# Altium PCB PCB_3U_DAC.PCBDOC (part 6 of 9)
Units mm, origin at the board's own origin, x right, y up, seen from the top; angles counter-clockwise.
Board outline 186.91 x 200.1 mm, 4 copper layers (TopLayer, Internal Plane 2, Signal Layer 1, BottomLayer), stack 1.563 mm thick; 822 components, 563 nets, 2611 pads, 820 vias.
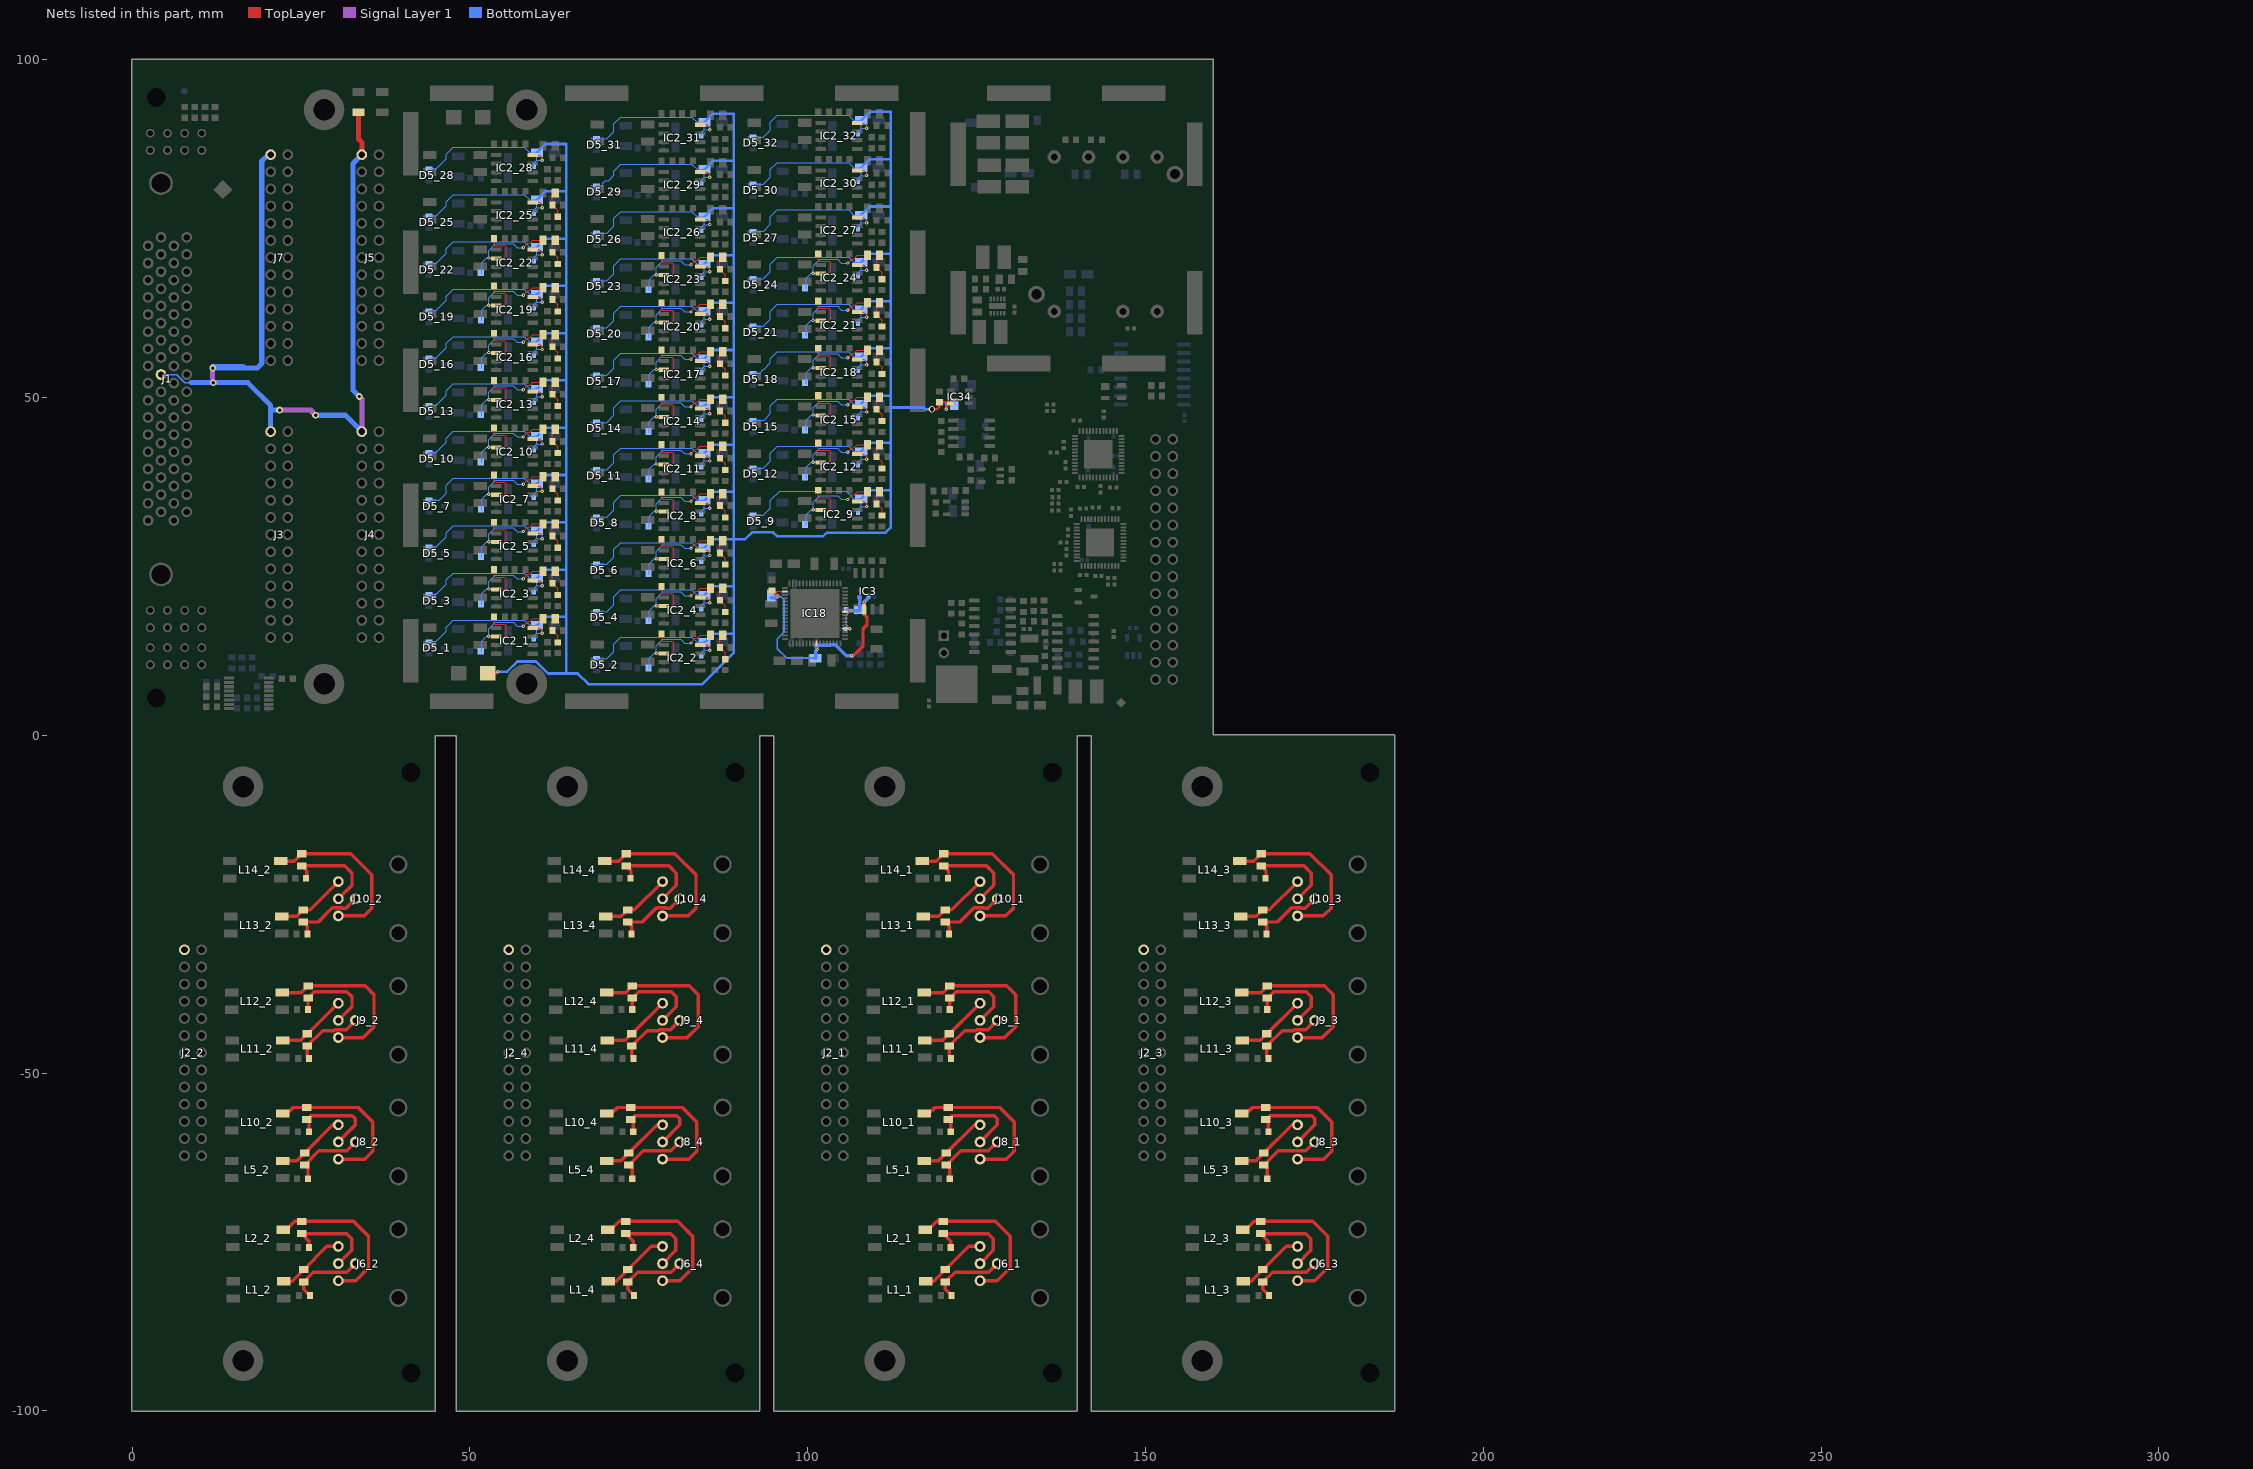
[diagram p8: the nets of this part, all layers, seen from the top]

## Via types
v1: diameter 0.5, hole 0.2, TopLayer to BottomLayer, tented both sides, 685 vias
v2: diameter 0.6, hole 0.3, TopLayer to BottomLayer, tented both sides, 105 vias
v3: diameter 1, hole 0.5, TopLayer to BottomLayer, tented both sides, 21 vias
v4: diameter 1, hole 0.6, TopLayer to BottomLayer, tented both sides, 9 vias

## Nets (pads, with @x,y where several pads share a name; then routed paths per layer and width w, separated by ;. In a path a pad name is that pad's centre, name@x,y a point inside that pad or via, vN(x,y) a via of type N, cw(c..) or ccw(c..) an arc to the next point about the centre after c; other vN are vias at no path point) (continued)
N12V0A: C92_1.2 C92_2.2 C92_3.2 C92_4.2 C92_5.2 C92_6.2 C92_7.2 C92_8.2 C92_9.2 C92_10.2 C92_11.2 C92_12.2 C92_13.2 C92_14.2 C92_15.2 C92_16.2 C92_17.2 C92_18.2 C92_19.2 C92_20.2 C92_21.2 C92_22.2 C92_23.2 C92_24.2 C92_25.2 C92_26.2 C92_27.2 C92_28.2 C92_29.2 C92_30.2 C92_31.2 C92_32.2 C93_1.2 C93_2.2 C93_3.2 C93_4.2 C93_5.2 C93_6.2 C93_7.2 C93_8.2 C93_9.2 C93_10.2 C93_11.2 C93_12.2 C93_13.2 C93_14.2 C93_15.2 C93_16.2 C93_17.2 C93_18.2 C93_19.2 C93_20.2 C93_21.2 C93_22.2 C93_23.2 C93_24.2 C93_25.2 C93_26.2 C93_27.2 C93_28.2 C93_29.2 C93_30.2 C93_31.2 C93_32.2 C147.2 D5_1.1 D5_2.1 D5_3.1 D5_4.1 D5_5.1 D5_6.1 D5_7.1 D5_8.1 D5_9.1 D5_10.1 D5_11.1 D5_12.1 D5_13.1 D5_14.1 D5_15.1 D5_16.1 D5_17.1 D5_18.1 D5_19.1 D5_20.1 D5_21.1 D5_22.1 D5_23.1 D5_24.1 D5_25.1 D5_26.1 D5_27.1 D5_28.1 D5_29.1 D5_30.1 D5_31.1 D5_32.1 D11.2 IC2_1.4 IC2_2.4 IC2_3.4 IC2_4.4 IC2_5.4 IC2_6.4 IC2_7.4 IC2_8.4 IC2_9.4 IC2_10.4 IC2_11.4 IC2_12.4 IC2_13.4 IC2_14.4 IC2_15.4 IC2_16.4 IC2_17.4 IC2_18.4 IC2_19.4 IC2_20.4 IC2_21.4 IC2_22.4 IC2_23.4 IC2_24.4 IC2_25.4 IC2_26.4 IC2_27.4 IC2_28.4 IC2_29.4 IC2_30.4 IC2_31.4 IC2_32.4 IC34.5 R69.2 | length 1198.1
  TopLayer w0.152: IC2_1.4@59.307,15.875 60.325,15.875 60.706,15.494 v1(60.706,15.106) ; IC2_3.4@59.307,22.875 60.325,22.875 60.706,22.494 v1(60.706,22.106) ; IC2_5.4@59.307,29.875 60.325,29.875 60.706,29.494 v1(60.706,29.106) ; IC2_7.4@59.307,36.875 60.325,36.875 60.706,36.494 v1(60.706,36.106) ; IC2_10.4@59.307,43.875 60.325,43.875 60.706,43.494 v1(60.706,43.106) ; IC2_13.4@59.307,50.875 60.325,50.875 60.706,50.494 v1(60.706,50.106) ; IC2_16.4@59.307,57.875 60.325,57.875 60.706,57.494 v1(60.706,57.106) ; IC2_19.4@59.307,64.875 60.325,64.875 60.706,64.494 v1(60.706,64.106) ; IC2_22.4@59.307,71.875 60.325,71.875 60.706,71.494 v1(60.706,71.106) ; IC2_25.4@59.307,78.875 60.325,78.875 60.706,78.494 v1(60.706,78.106) ; IC2_28.4@59.307,85.875 60.325,85.875 60.706,85.494 v1(60.706,85.106) ; IC2_2.4@84.107,13.375 85.125,13.375 85.506,12.994 v1(85.506,12.606) ; IC2_4.4@84.107,20.375 85.125,20.375 85.506,19.994 v1(85.506,19.606) ; IC2_6.4@84.107,27.375 85.125,27.375 85.506,26.994 v1(85.506,26.606) ; IC2_8.4@84.107,34.375 85.125,34.375 85.506,33.994 v1(85.506,33.606) ; IC2_11.4@84.107,41.375 85.125,41.375 85.506,40.994 v1(85.506,40.606) ; IC2_14.4@84.107,48.375 85.125,48.375 85.506,47.994 v1(85.506,47.606) ; IC2_17.4@84.107,55.375 85.125,55.375 85.506,54.994 v1(85.506,54.606) ; IC2_20.4@84.107,62.375 85.125,62.375 85.506,61.994 v1(85.506,61.606) ; IC2_23.4@84.107,69.375 85.125,69.375 85.506,68.994 v1(85.506,68.606) ; IC2_26.4@84.107,76.375 85.125,76.375 85.506,75.994 v1(85.506,75.606) ; IC2_29.4@84.107,83.375 85.125,83.375 85.506,82.994 v1(85.506,82.606) ; IC2_31.4@84.107,90.375 85.125,90.375 85.506,89.994 v1(85.506,89.606) ; IC2_9.4@107.307,34.625 108.325,34.625 108.706,34.244 v1(108.706,33.856) ; IC2_12.4@107.307,41.625 108.325,41.625 108.706,41.244 v1(108.706,40.856) ; IC2_15.4@107.307,48.625 108.325,48.625 108.706,48.244 v1(108.706,47.856) ; IC2_18.4@107.307,55.625 108.325,55.625 108.706,55.244 v1(108.706,54.856) ; IC2_21.4@107.307,62.625 108.325,62.625 108.706,62.244 v1(108.706,61.856) ; IC2_24.4@107.307,69.625 108.325,69.625 108.706,69.244 v1(108.706,68.856) ; IC2_27.4@107.307,76.625 108.325,76.625 108.706,76.244 v1(108.706,75.856) ; IC2_30.4@107.307,83.625 108.325,83.625 108.706,83.244 v1(108.706,82.856) ; IC2_32.4@107.307,90.625 108.325,90.625 108.706,90.244 v1(108.706,89.856)
  TopLayer w0.381: D11.2@52.663,9.206 53.91,9.206 v1(54.102,9.398) ; v4(118.364,48.26) 119.126,48.26 119.486,48.62 R69.2@119.486,49.294 IC34.5@120.986,49.294 ; v1(120.524,48.26) 120.524,48.532 IC34.5@121.136,49.144
  BottomLayer w0.152: D5_1.1@43.913,13.881 44.996,13.881 46.482,15.367 46.482,16.002 47.498,17.018 58.059,17.018 58.821,16.256 C93_1.2@59.914,16.256 59.914,15.136 ; D5_3.1@43.913,20.881 44.996,20.881 46.482,22.367 46.482,23.002 47.498,24.018 58.059,24.018 58.821,23.256 C93_3.2@59.914,23.256 59.914,22.136 ; D5_5.1@43.913,27.881 44.996,27.881 46.482,29.367 46.482,30.002 47.498,31.018 58.059,31.018 58.821,30.256 C93_5.2@59.914,30.256 59.914,29.136 ; D5_7.1@43.913,34.881 44.001,34.793 45.439,34.793 46.482,35.836 46.482,37.002 47.498,38.018 58.059,38.018 58.821,37.256 C93_7.2@59.914,37.256 59.914,36.136 ; D5_10.1@43.913,41.881 44.996,41.881 46.482,43.367 46.482,44.002 47.498,45.018 58.059,45.018 58.821,44.256 C93_10.2@59.914,44.256 59.914,43.136 ; D5_13.1@43.913,48.881 44.996,48.881 46.482,50.367 46.482,51.002 47.498,52.018 58.059,52.018 58.821,51.256 C93_13.2@59.914,51.256 59.914,50.136 ; D5_16.1@43.913,55.881 44.996,55.881 46.482,57.367 46.482,58.002 47.498,59.018 58.059,59.018 58.821,58.256 C93_16.2@59.914,58.256 59.914,57.136 ; D5_19.1@43.913,62.881 44.996,62.881 46.482,64.367 46.482,65.002 47.498,66.018 58.059,66.018 58.821,65.256 C93_19.2@59.914,65.256 59.914,64.136 ; D5_22.1@43.913,69.881 44.996,69.881 46.482,71.367 46.482,72.002 47.498,73.018 58.059,73.018 58.821,72.256 C93_22.2@59.914,72.256 59.914,71.136 ; D5_25.1@43.913,76.881 44.996,76.881 46.482,78.367 46.482,79.002 47.498,80.018 58.059,80.018 58.821,79.256 C93_25.2@59.914,79.256 59.914,78.136 ; D5_28.1@43.913,83.881 44.996,83.881 46.482,85.367 46.482,86.002 47.498,87.018 58.059,87.018 58.821,86.256 C93_28.2@59.914,86.256 59.914,85.136 ; C92_1.2@59.436,14.166 59.436,14.658 59.914,15.136 ; C92_3.2@59.436,21.166 59.436,21.658 59.914,22.136 ; C92_5.2@59.436,28.166 59.436,28.658 59.914,29.136 ; C92_7.2@59.436,35.166 59.436,35.658 59.914,36.136 ; C92_10.2@59.436,42.166 59.436,42.658 59.914,43.136 ; C92_13.2@59.436,49.166 59.436,49.658 59.914,50.136 ; C92_16.2@59.436,56.166 59.436,56.658 59.914,57.136 ; C92_19.2@59.436,63.166 59.436,63.658 59.914,64.136 ; C92_22.2@59.436,70.166 59.436,70.658 59.914,71.136 ; C92_25.2@59.436,77.166 59.436,77.658 59.914,78.136 ; C92_28.2@59.436,84.166 59.436,84.658 59.914,85.136 ; v1(60.706,15.106) 59.944,15.106 59.914,15.136 ; v1(60.706,22.106) 59.944,22.106 59.914,22.136 ; v1(60.706,29.106) 59.944,29.106 59.914,29.136 ; v1(60.706,36.106) 59.944,36.106 59.914,36.136 ; v1(60.706,43.106) 59.944,43.106 59.914,43.136 ; v1(60.706,50.106) 59.944,50.106 59.914,50.136 ; v1(60.706,57.106) 59.944,57.106 59.914,57.136 ; v1(60.706,64.106) 59.944,64.106 59.914,64.136 ; v1(60.706,71.106) 59.944,71.106 59.914,71.136 ; v1(60.706,78.106) 59.944,78.106 59.914,78.136 ; v1(60.706,85.106) 59.944,85.106 59.914,85.136 ; D5_2.1@68.713,11.381 68.801,11.293 70.239,11.293 71.282,12.336 71.282,13.502 72.298,14.518 82.859,14.518 83.621,13.756 C93_2.2@84.714,13.756 84.714,12.636 ; D5_4.1@68.713,18.381 68.801,18.293 70.239,18.293 71.282,19.336 71.282,20.502 72.298,21.518 82.859,21.518 83.621,20.756 C93_4.2@84.714,20.756 84.714,19.636 ; D5_6.1@68.713,25.381 68.801,25.293 70.239,25.293 71.282,26.336 71.282,27.502 72.298,28.518 82.859,28.518 83.621,27.756 C93_6.2@84.714,27.756 84.714,26.636 ; D5_8.1@68.713,32.381 68.801,32.293 70.239,32.293 71.282,33.336 71.282,34.502 72.298,35.518 82.859,35.518 83.621,34.756 C93_8.2@84.714,34.756 84.714,33.636 ; D5_11.1@68.713,39.381 68.801,39.293 70.239,39.293 71.282,40.336 71.282,41.502 72.298,42.518 82.859,42.518 83.621,41.756 C93_11.2@84.714,41.756 84.714,40.636 ; D5_14.1@68.713,46.381 68.801,46.293 70.239,46.293 71.282,47.336 71.282,48.502 72.298,49.518 82.859,49.518 83.621,48.756 C93_14.2@84.714,48.756 84.714,47.636 ; D5_17.1@68.713,53.381 68.801,53.293 70.239,53.293 71.282,54.336 71.282,55.502 72.298,56.518 82.859,56.518 83.621,55.756 C93_17.2@84.714,55.756 84.714,54.636 ; D5_20.1@68.713,60.381 68.801,60.293 70.239,60.293 71.282,61.336 71.282,62.502 72.298,63.518 82.859,63.518 83.621,62.756 C93_20.2@84.714,62.756 84.714,61.636 ; D5_23.1@68.713,67.381 68.801,67.293 70.239,67.293 71.282,68.336 71.282,69.502 72.298,70.518 82.859,70.518 83.621,69.756 C93_23.2@84.714,69.756 84.714,68.636 ; D5_26.1@68.713,74.381 68.801,74.293 70.239,74.293 71.282,75.336 71.282,76.502 72.298,77.518 82.859,77.518 83.621,76.756 C93_26.2@84.714,76.756 84.714,75.636 ; D5_29.1@68.713,81.381 69.651,81.381 69.651,81.722 70.026,82.097 70.512,82.097 71.282,82.867 71.282,83.502 72.298,84.518 82.859,84.518 83.621,83.756 C93_29.2@84.714,83.756 84.714,82.636 ; D5_31.1@68.713,88.381 68.801,88.293 70.239,88.293 71.282,89.336 71.282,90.502 72.298,91.518 82.859,91.518 83.621,90.756 C93_31.2@84.714,90.756 84.714,89.636 ; C92_2.2@84.236,11.666 84.236,12.158 84.714,12.636 ; C92_4.2@84.236,18.666 84.236,19.158 84.714,19.636 ; C92_6.2@84.236,25.666 84.236,26.158 84.714,26.636 ; C92_8.2@84.236,32.666 84.236,33.158 84.714,33.636 ; C92_11.2@84.236,39.666 84.236,40.158 84.714,40.636 ; C92_14.2@84.236,46.666 84.236,47.158 84.714,47.636 ; C92_17.2@84.236,53.666 84.236,54.158 84.714,54.636 ; C92_20.2@84.236,60.666 84.236,61.158 84.714,61.636 ; C92_23.2@84.236,67.666 84.236,68.158 84.714,68.636 ; C92_26.2@84.236,74.666 84.236,75.158 84.714,75.636 ; C92_29.2@84.236,81.666 84.236,82.158 84.714,82.636 ; C92_31.2@84.236,88.666 84.236,89.158 84.714,89.636 ; v1(85.506,12.606) 84.744,12.606 84.714,12.636 ; v1(85.506,19.606) 84.744,19.606 84.714,19.636 ; v1(85.506,26.606) 84.744,26.606 84.714,26.636 ; v1(85.506,33.606) 84.744,33.606 84.714,33.636 ; v1(85.506,40.606) 84.744,40.606 84.714,40.636 ; v1(85.506,47.606) 84.744,47.606 84.714,47.636 ; v1(85.506,54.606) 84.744,54.606 84.714,54.636 ; v1(85.506,61.606) 84.744,61.606 84.714,61.636 ; v1(85.506,68.606) 84.744,68.606 84.714,68.636 ; v1(85.506,75.606) 84.744,75.606 84.714,75.636 ; v1(85.506,82.606) 84.744,82.606 84.714,82.636 ; v1(85.506,89.606) 84.744,89.606 84.714,89.636 ; D5_9.1@91.913,32.631 92.001,32.543 93.439,32.543 94.482,33.586 94.482,34.752 95.867,36.137 105.689,36.137 106.821,35.006 C93_9.2@107.914,35.006 107.914,33.886 ; D5_12.1@91.913,39.631 92.001,39.543 93.439,39.543 94.482,40.586 94.482,41.752 95.498,42.768 106.059,42.768 106.821,42.006 C93_12.2@107.914,42.006 107.914,40.886 ; D5_15.1@91.913,46.631 93.553,46.631 94.482,47.56 94.482,48.752 95.498,49.768 106.059,49.768 106.821,49.006 C93_15.2@107.914,49.006 107.914,47.886 ; D5_18.1@91.913,53.631 92.996,53.631 93.171,53.806 93.171,53.934 93.437,54.2 93.565,54.2 94.482,55.117 94.482,55.752 95.498,56.768 106.059,56.768 106.821,56.006 C93_18.2@107.914,56.006 107.914,54.886 ; D5_21.1@91.913,60.631 92.001,60.543 93.439,60.543 94.482,61.586 94.482,62.752 95.498,63.768 106.059,63.768 106.821,63.006 C93_21.2@107.914,63.006 107.914,61.886 ; D5_24.1@91.913,67.631 92.001,67.543 93.439,67.543 94.482,68.586 94.482,69.752 95.498,70.768 106.059,70.768 106.821,70.006 C93_24.2@107.914,70.006 107.914,68.886 ; D5_27.1@91.913,74.631 93.453,74.631 94.482,75.66 94.482,76.752 95.498,77.768 106.059,77.768 106.821,77.006 C93_27.2@107.914,77.006 107.914,75.886 ; D5_30.1@91.913,81.631 92.001,81.543 93.439,81.543 94.482,82.586 94.482,83.752 95.498,84.768 106.059,84.768 106.821,84.006 C93_30.2@107.914,84.006 107.914,82.886 ; D5_32.1@91.913,88.631 92.001,88.543 93.439,88.543 94.482,89.586 94.482,90.752 95.498,91.768 106.059,91.768 106.821,91.006 C93_32.2@107.914,91.006 107.914,89.886 ; C92_9.2@107.436,32.916 107.436,33.408 107.914,33.886 ; C92_12.2@107.436,39.916 107.436,40.408 107.914,40.886 ; C92_15.2@107.436,46.916 107.436,47.408 107.914,47.886 ; C92_18.2@107.436,53.916 107.436,54.408 107.914,54.886 ; C92_21.2@107.436,60.916 107.436,61.408 107.914,61.886 ; C92_24.2@107.436,67.916 107.436,68.408 107.914,68.886 ; C92_27.2@107.436,74.916 107.436,75.408 107.914,75.886 ; C92_30.2@107.436,81.916 107.436,82.408 107.914,82.886 ; C92_32.2@107.436,88.916 107.436,89.408 107.914,89.886 ; v1(108.706,33.856) 107.944,33.856 107.914,33.886 ; v1(108.706,40.856) 107.944,40.856 107.914,40.886 ; v1(108.706,47.856) 107.944,47.856 107.914,47.886 ; v1(108.706,54.856) 107.944,54.856 107.914,54.886 ; v1(108.706,61.856) 107.944,61.856 107.914,61.886 ; v1(108.706,68.856) 107.944,68.856 107.914,68.886 ; v1(108.706,75.856) 107.944,75.856 107.914,75.886 ; v1(108.706,82.856) 107.944,82.856 107.914,82.886 ; v1(108.706,89.856) 107.944,89.856 107.914,89.886
  BottomLayer w0.381: v1(54.102,9.398) 55.506,9.398 57.026,10.917 59.774,10.917 61.548,9.144 64.262,9.144 ; C93_1.2@59.914,16.256 61.184,17.526 64.262,17.526 ; C93_3.2@59.914,23.256 61.184,24.526 64.262,24.526 ; C93_5.2@59.914,30.256 61.184,31.526 64.262,31.526 ; C93_7.2@59.914,37.256 61.184,38.526 64.262,38.526 ; C93_10.2@59.914,44.256 61.184,45.526 64.262,45.526 ; C93_13.2@59.914,51.256 61.184,52.526 64.262,52.526 ; C93_16.2@59.914,58.256 61.184,59.526 64.262,59.526 ; C93_19.2@59.914,65.256 61.184,66.526 64.262,66.526 ; C93_22.2@59.914,72.256 61.184,73.526 64.262,73.526 ; C93_25.2@59.914,79.256 61.184,80.526 64.262,80.526 ; C93_28.2@59.914,86.256 61.184,87.526 64.262,87.526 64.262,80.526 ; C93_2.2@84.714,13.756 85.984,15.026 89.062,15.026 ; C93_4.2@84.714,20.756 85.984,22.026 89.062,22.026 ; C93_6.2@84.714,27.756 85.984,29.026 89.062,29.026 ; C93_8.2@84.714,34.756 85.984,36.026 89.062,36.026 ; C93_11.2@84.714,41.756 85.984,43.026 89.062,43.026 ; C93_14.2@84.714,48.756 85.984,50.026 89.062,50.026 ; C93_17.2@84.714,55.756 85.984,57.026 89.062,57.026 ; C93_20.2@84.714,62.756 85.984,64.026 89.062,64.026 ; C93_23.2@84.714,69.756 85.984,71.026 89.062,71.026 ; C93_26.2@84.714,76.756 85.984,78.026 89.062,78.026 ; C93_29.2@84.714,83.756 85.984,85.026 89.062,85.026 ; C93_31.2@84.714,90.756 85.984,92.026 89.062,92.026 89.062,85.026 ; C93_9.2@107.914,35.006 109.184,36.276 112.262,36.276 ; C93_12.2@107.914,42.006 109.184,43.276 112.262,43.276 ; C93_15.2@107.914,49.006 109.184,50.276 112.262,50.276 ; C93_18.2@107.914,56.006 109.184,57.276 112.262,57.276 ; C93_21.2@107.914,63.006 109.184,64.276 112.262,64.276 ; C93_24.2@107.914,70.006 109.184,71.276 112.262,71.276 ; C93_27.2@107.914,77.006 109.184,78.276 112.262,78.276 ; C93_30.2@107.914,84.006 109.184,85.276 112.262,85.276 ; C93_32.2@107.914,91.006 109.184,92.276 112.262,92.276 ; 112.268,92.276 112.268,48.514 ; v4(118.364,48.26) 117.413,48.26 117.159,48.514 112.268,48.514 ; v1(120.524,48.26) 120.524,49.022 120.546,49.044 C147.2@121.674,49.044 ; 64.262,9.144 65.924,9.144 67.511,7.558 84.395,7.558 89.062,12.225 89.062,15.026 ; 64.262,9.144 64.262,17.526 ; 64.262,17.526 64.262,24.526 ; 64.262,24.526 64.262,31.526 ; 64.262,31.526 64.262,38.526 ; 64.262,38.526 64.262,45.526 ; 64.262,45.526 64.262,52.526 ; 64.262,52.526 64.262,59.526 ; 64.262,59.526 64.262,66.526 ; 64.262,66.526 64.262,73.526 ; 64.262,73.526 64.262,80.526 ; 89.062,15.026 89.062,22.026 ; 89.062,22.026 89.062,29.026 ; 89.062,29.026 90.748,29.026 91.753,30.031 94.88,30.031 95.448,29.464 102.292,29.464 102.834,30.006 111.54,30.006 112.262,30.728 112.262,36.276 ; 89.062,29.026 89.062,36.026 ; 89.062,36.026 89.062,43.026 ; 89.062,43.026 89.062,50.026 ; 89.062,50.026 89.062,57.026 ; 89.062,57.026 89.062,64.026 ; 89.062,64.026 89.062,71.026 ; 89.062,71.026 89.062,78.026 ; 89.062,78.026 89.062,85.026 ; 112.262,36.276 112.268,36.282 112.268,48.514
N13V0_SCSI: F2.1 J1.52 J3.26 J4.26 J5.26 J7.26 | length 131.8
  TopLayer w0.762: F2.1@33.513,92.206 33.513,88.248 33.992,87.768 J5.26@33.992,85.946
  Signal Layer 1 w0.762: v3@11.909,52.353 v3(11.909,54.353) ; v3(21.815,48.13) 26.387,48.13 v3(27.149,47.368) ; v3(33.608,50.137) 33.992,49.752 J4.26@33.992,44.946
  BottomLayer w0.203: J1.52@4.26,53.391 6.615,53.391 7.812,52.194 8.723,52.194
  BottomLayer w0.508: v3@11.807,54.717 16.5,54.717 16.864,54.353 16.886,54.331
  BottomLayer w0.762: 8.723,52.194 v3(12,52.194) 17.116,52.194 20.492,48.817 20.492,48.13 ; v3(11.909,54.353) 16.864,54.353 18.513,54.353 19.184,55.025 19.184,84.997 20.134,85.946 J7.26@20.492,85.946 ; J3.26@20.492,44.946 20.492,48.13 ; v3(21.815,48.13) 20.492,48.13 ; v3(27.149,47.368) 31.57,47.368 J4.26@33.992,44.946 ; v3(33.608,50.137) 32.684,51.06 32.684,84.638 J5.26@33.992,85.946
N13V0_SCSI_1: J2_1.26
N13V0_SCSI_2: J2_2.26
N13V0_SCSI_3: J2_3.26
N13V0_SCSI_4: J2_4.26
NetC1_1_1: C1_1.1 J6_1.1 L1_1.2 | length 10.2
  TopLayer w0.508: L1_1.2@117.468,-80.823 118.66,-80.823 C1_1.1@120.373,-79.11 123.817,-75.666 J6_1.1@125.507,-75.666
NetC1_1_2: C1_1.2 J6_1.4 R15_1.1 | length 11.2
  TopLayer w0.508: R15_1.1@121.3,-82.931 120.373,-82.004 C1_1.2@120.373,-80.91 121.806,-79.477 126.778,-79.477 128.047,-78.208 J6_1.4@128.047,-78.206
NetC1_2_1: C1_2.1 J6_2.1 L1_2.2 | length 10.2
  TopLayer w0.508: L1_2.2@22.468,-80.823 23.66,-80.823 C1_2.1@25.373,-79.11 28.817,-75.666 J6_2.1@30.507,-75.666
NetC1_2_2: C1_2.2 J6_2.4 R15_2.1 | length 11.2
  TopLayer w0.508: R15_2.1@26.3,-82.931 25.373,-82.004 C1_2.2@25.373,-80.91 26.806,-79.477 31.778,-79.477 33.047,-78.208 J6_2.4@33.047,-78.206
NetC1_3_1: C1_3.1 J6_3.1 L1_3.2 | length 10.2
  TopLayer w0.508: L1_3.2@164.468,-80.823 165.66,-80.823 C1_3.1@167.373,-79.11 170.817,-75.666 J6_3.1@172.507,-75.666
NetC1_3_2: C1_3.2 J6_3.4 R15_3.1 | length 11.2
  TopLayer w0.508: R15_3.1@168.3,-82.931 167.373,-82.004 C1_3.2@167.373,-80.91 168.806,-79.477 173.778,-79.477 175.047,-78.208 J6_3.4@175.047,-78.206
NetC1_4_1: C1_4.1 J6_4.1 L1_4.2 | length 10.2
  TopLayer w0.508: L1_4.2@70.468,-80.823 71.66,-80.823 C1_4.1@73.373,-79.11 76.817,-75.666 J6_4.1@78.507,-75.666
NetC1_4_2: C1_4.2 J6_4.4 R15_4.1 | length 11.2
  TopLayer w0.508: R15_4.1@74.3,-82.931 73.373,-82.004 C1_4.2@73.373,-80.91 74.806,-79.477 79.778,-79.477 81.047,-78.209 J6_4.4@81.047,-78.206
NetC2_1_1: C2_1.1 J6_1.3 L2_1.2 | length 23.9
  TopLayer w0.508: L2_1.2@117.392,-73.203 117.838,-73.203 119.068,-71.973 C2_1.1@120.068,-71.973 127.758,-71.973 129.979,-74.193 129.979,-78.842 128.074,-80.746 J6_1.3@125.507,-80.746
NetC2_1_2: C2_1.2 J6_1.2 R26_1.1 | length 14.7
  TopLayer w0.508: R26_1.1@121.173,-75.819 121.173,-74.877 C2_1.2@120.068,-73.773 126.739,-73.773 127.49,-74.524 127.49,-76.223 J6_1.2@125.507,-78.206
NetC2_2_1: C2_2.1 J6_2.3 L2_2.2 | length 23.9
  TopLayer w0.508: L2_2.2@22.392,-73.203 22.838,-73.203 24.068,-71.973 C2_2.1@25.068,-71.973 32.758,-71.973 34.979,-74.193 34.979,-78.842 33.074,-80.746 J6_2.3@30.507,-80.746
NetC2_2_2: C2_2.2 J6_2.2 R26_2.1 | length 14.7
  TopLayer w0.508: R26_2.1@26.173,-75.819 26.173,-74.877 C2_2.2@25.068,-73.773 31.739,-73.773 32.49,-74.524 32.49,-76.223 J6_2.2@30.507,-78.206
NetC2_3_1: C2_3.1 J6_3.3 L2_3.2 | length 23.9
  TopLayer w0.508: L2_3.2@164.392,-73.203 164.838,-73.203 166.068,-71.973 C2_3.1@167.068,-71.973 174.758,-71.973 176.979,-74.193 176.979,-78.842 175.074,-80.746 J6_3.3@172.507,-80.746
NetC2_3_2: C2_3.2 J6_3.2 R26_3.1 | length 14.7
  TopLayer w0.508: R26_3.1@168.173,-75.819 168.173,-74.877 C2_3.2@167.068,-73.773 173.739,-73.773 174.49,-74.524 174.49,-76.223 J6_3.2@172.507,-78.206
NetC2_4_1: C2_4.1 J6_4.3 L2_4.2 | length 23.9
  TopLayer w0.508: L2_4.2@70.392,-73.203 70.838,-73.203 72.068,-71.973 C2_4.1@73.068,-71.973 80.758,-71.973 82.979,-74.194 82.979,-78.842 81.074,-80.746 J6_4.3@78.507,-80.746
NetC2_4_2: C2_4.2 J6_4.2 R26_4.1 | length 14.7
  TopLayer w0.508: R26_4.1@74.173,-75.819 74.173,-74.878 C2_4.2@73.068,-73.773 79.739,-73.773 80.49,-74.524 80.49,-76.223 J6_4.2@78.507,-78.206
NetC3_1_1: C3_1.1 J8_1.1 L5_1.2 | length 10.5
  TopLayer w0.508: L5_1.2@117.265,-63.017 119.346,-63.017 C3_1.1@120.525,-61.838 124.697,-57.666 J8_1.1@125.507,-57.666